# Altium PCB 28Pins_ProjectV1I1_PCB.PcbDoc
Units mm, origin at the board's own origin, x right, y up, seen from the top; angles counter-clockwise.
Board outline 68.58 x 53.34 mm, 2 copper layers (L1, L2), stack 1.671 mm thick; 106 components, 71 nets, 323 pads, 106 vias.
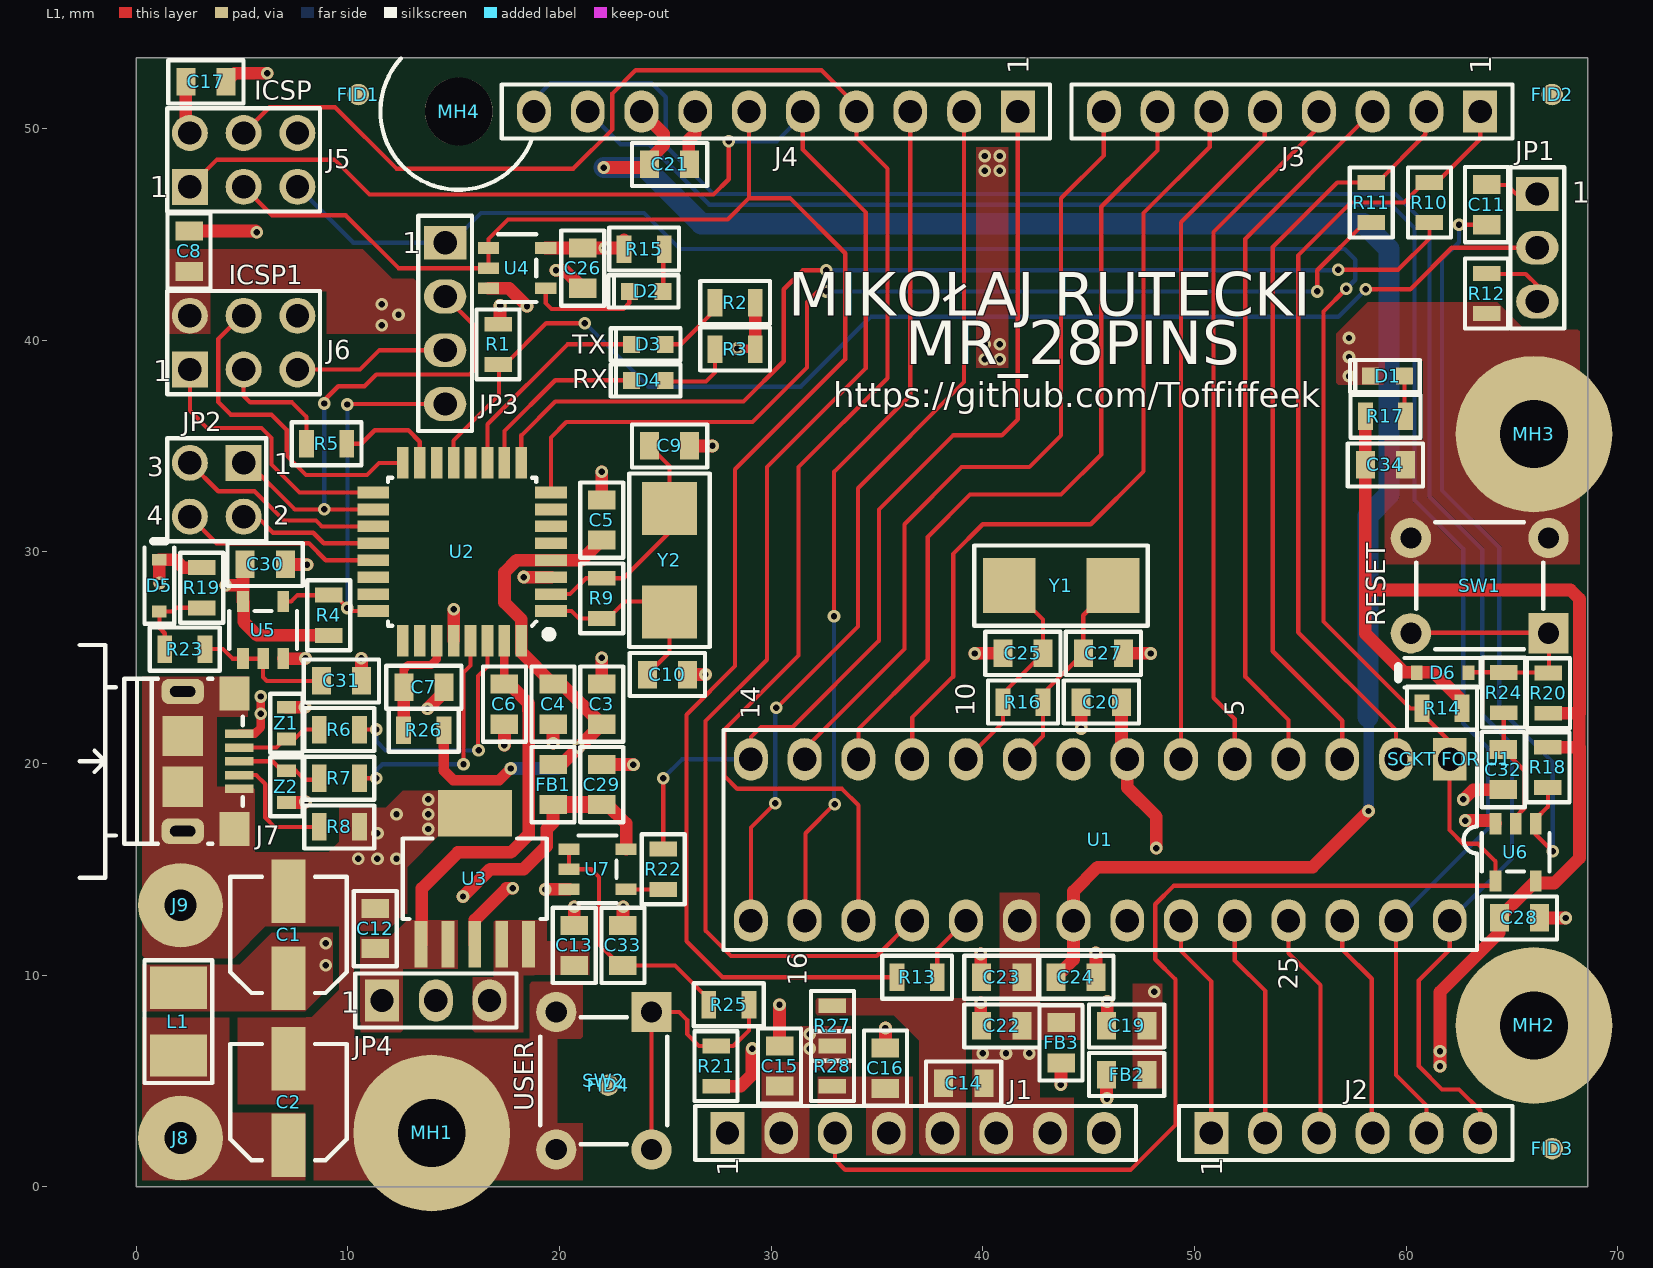
[diagram p0: L1 view]
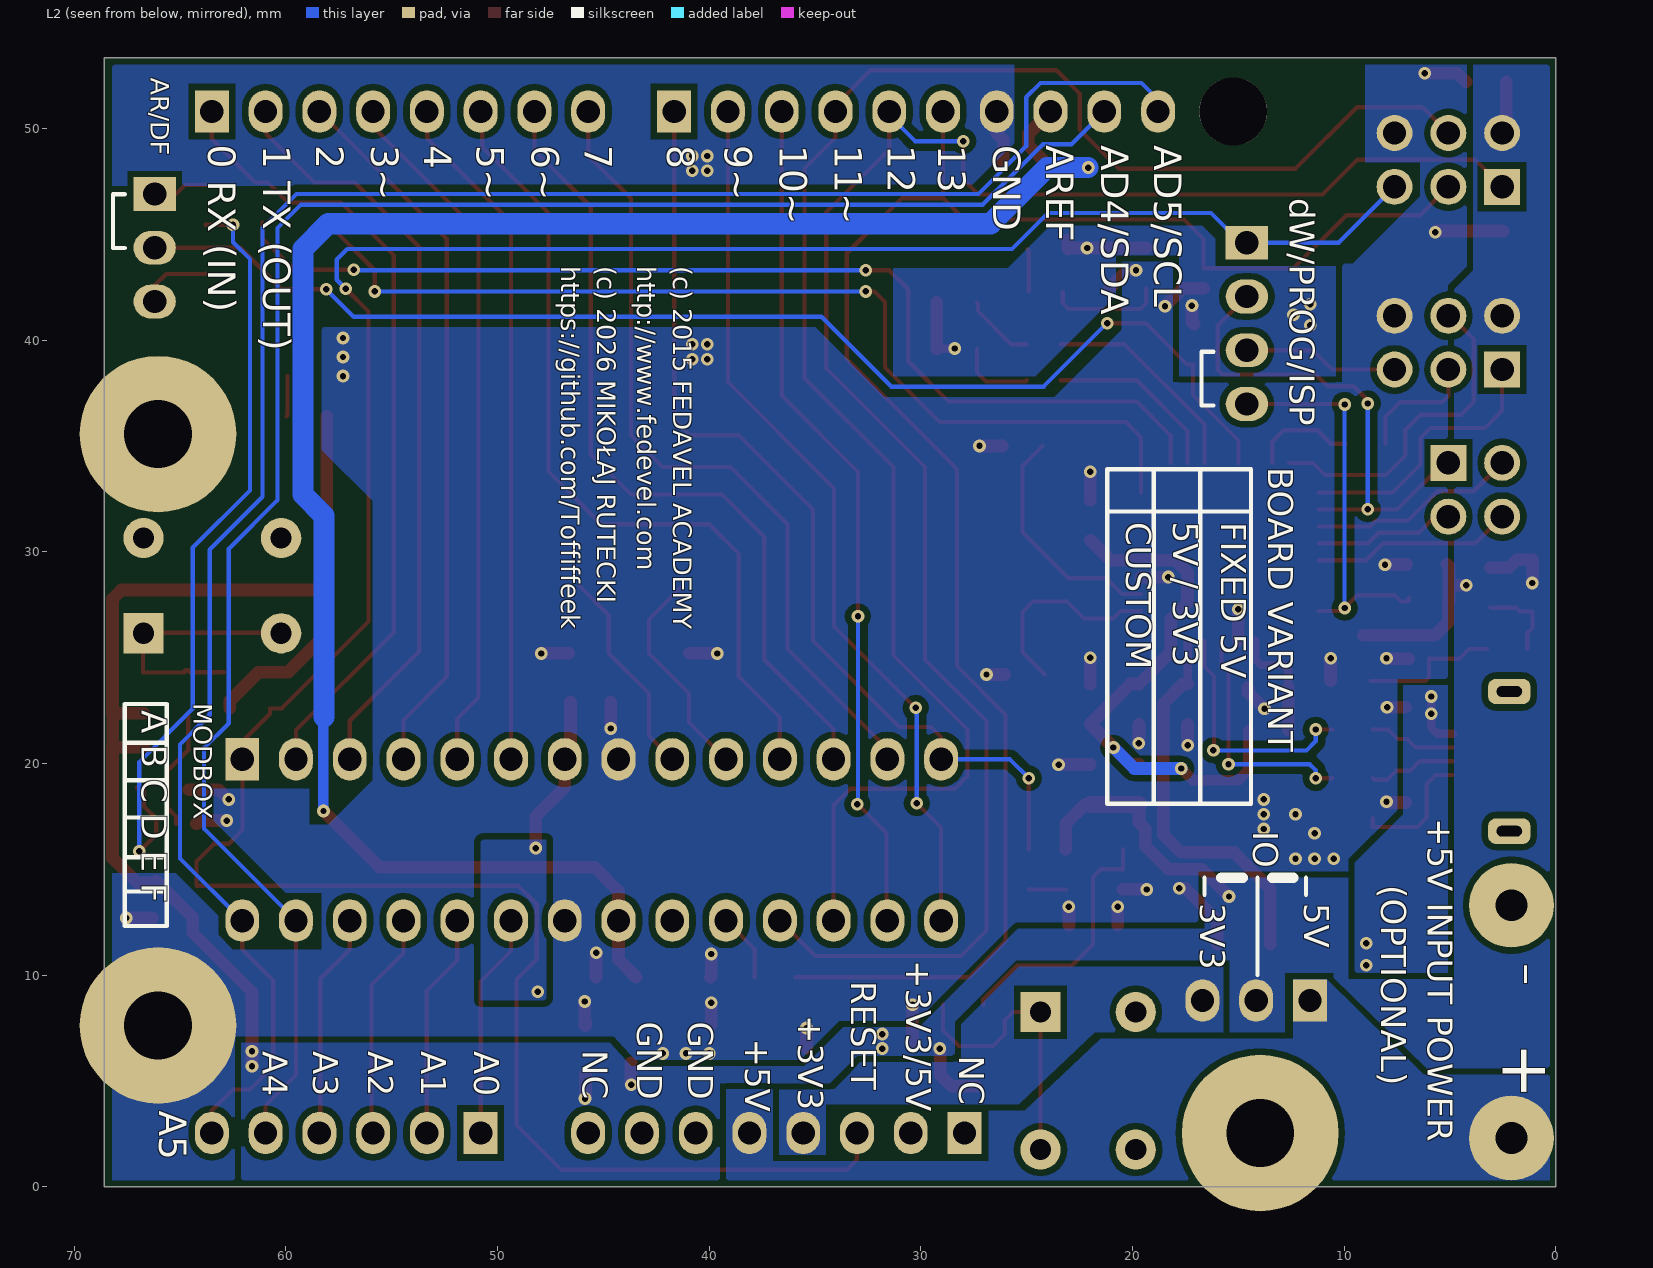
[diagram p1: L2 view, seen from below]

## Layer stack, top to bottom
Top Solder: solder mask 0.0102, Solder Resist, Dk 3.5
L1: signal copper 0.0356
Dielectric 1: dielectric 1.6, FR-4, Dk 4.8
L2: signal copper 0.0356
Bottom Solder: solder mask 0.0102, Solder Resist, Dk 3.5

## Board outline
68.58,0 68.58,53.34 0,53.34 0,0

## Design rules (kind name [scope] priority, off if disabled: settings)
Clearance "Around Polygons" [isRegion] p1: gap=0.3
Clearance [All] p2: gap=0.2
ComponentClearance "SW2 to FID4" [InComponent('SW2') vs InComponent('FID4')] p1: gap=0 collisioncheckmode=3 verticalgap=0 showdistances=FALSE
ComponentClearance "Power Resistors" [InComponent('R27') vs InComponent('R28')] p2: gap=0 collisioncheckmode=3 verticalgap=0 showdistances=FALSE
ComponentClearance "MH4 to FID1 and J4" [InComponent('MH4') vs InComponent('FID1') or InComponent('J4')] p3: gap=0 collisioncheckmode=3 verticalgap=0 showdistances=FALSE
ComponentClearance "DIP SOCKET to MH2 AND U1" [InComponent('SCKT FOR U1') vs InComponent('U1') or InComponent('MH2')] p4: gap=0 collisioncheckmode=3 verticalgap=0 showdistances=FALSE
ComponentClearance "MH2 toJ2" [InComponent('MH2') vs InComponent('J2')] p5: gap=0 collisioncheckmode=3 verticalgap=0 showdistances=FALSE
ComponentClearance [All] p6: gap=0.254 collisioncheckmode=3 verticalgap=0.254 showdistances=FALSE
HoleSize [All] p1: absolutevalues=TRUE maxlimit=10 minlimit=0.2 maxpercent=80.000 minpercent=20.000
HoleToHoleClearance [All] p1: gap=0.3 allowstackedmicrovias=TRUE
MinimumSolderMaskSliver [All] p1: minsoldermaskwidth=0.1
PolygonConnect [All] p1: connectstyle=Direct reliefconductorwidth=0.254 reliefentries=4 polygonreliefangle="90 Angle" airgapwidth=0.254
RoutingVias [All] p1: holewidth=0.3 width=0.6 viastyle="Through Hole" minholewidth=0.3 minwidth=0.6 maxholewidth=0.3 maxwidth=0.6
SilkToBoardRegionClearance [All] p1 off:
SilkToSilkClearance [All] p1: silktosilkclearance=0.1
SilkToSolderMaskClearance [IsPad] p1: minsilkscreentomaskgap=0.1 clearancetoexposedcopper=TRUE
SolderMaskExpansion [All] p1: expansion=0.1
Width "Width POWERS" [InNet('+*') or InNet('GND')] p1: maxlimit=4 minlimit=0.4 preferedwidth=0.4
Width [All] p2: maxlimit=0.5 minlimit=0.2 preferedwidth=0.3
23 further rules are at their usual default settings.

## Components (designator, comment, footprint, x,y, rotation, side; value= is the part's Value field where it differs from the comment)
C1 "100uF/10V" C_ALU_C_SIZE 7.2,11.9 r90 top
C2 "100uF/10V" C_ALU_C_SIZE 7.2,4 r90 top
C3 "10uF/16V" C0805 22,22.8 r270 top
C4 "100n" C0805 19.7,22.8 r90 top
C5 "100n" C0805 22,31.5 r270 top
C6 "100n" C0805 17.4,22.8 r90 top
C7 "1uF/25V" C0805 13.6,23.6 r180 top
C8 "100n" C0805 2.5,44.2 r270 top
C9 "18p" C0805 25.2,35 r0 top
C10 "18p" C0805 25.1,24.2 r0 top
C11 "100n" C0805 63.8,46.4 r90 top
C12 "10uF/16V" C0805 11.3,12.2 r270 top
C13 "10uF/16V" C0805 20.7,11.4 r270 top
C14 "100n" C0805 39.1,4.9 r180 top
C15 "100n" C0805 30.4,5.7 r270 top
C16 "100n" C0805 35.4,5.6 r270 top
C17 "100n" C0805 3.3,52.2 r180 top
C19 "10uF/16V" C0805 46.8,7.6 r180 top
C20 "100n" C0805 45.6,22.9 r0 top
C21 "10uF/16V" C0805 25.2,48.3 r180 top
C22 "10uF/16V" C0805 40.9,7.6 r180 top
C23 "100n" C0805 40.9,9.9 r0 top
C24 "100n" C0805 44.4,9.9 r180 top
C25 "18p" C0805 41.9,25.2 r180 top
C26 "100n" C0805 21.1,43.4 r90 top
C27 "18p" C0805 45.7,25.2 r0 top
C28 "100n" C0805 65.354,12.7 r180 top
C29 "100n" C0805 22,19 r270 top
C30 "100n" C0805 6.1,29.4 r180 top
C31 "100n" C0805 9.7,23.9 r180 top
C32 "100n" C0805 64.592,19.71 r90 top
C33 "100n" C0805 23,11.4 r270 top
C34 "10uF/16V" C0805 59.025,34.1 r180 top
D1 "Green" LED_0603 59.125,38.3 r0 top
D2 "Orange" LED_0603 24.1,42.3 r0 top
D3 "Orange" LED_0603 24.2,39.8 r0 top
D4 "Orange" LED_0603 24.2,38.1 r0 top
D5 "BAT54HT1G" SOD323 1.1,28.4 r270 top
D6 "BAT54HT1G" SOD323 61.722,24.282 r0 top
FB1 "MPZ2012S601AT000" C0805 19.7,19 r90 top
FB2 "MPZ2012S601AT000" C0805 46.8,5.3 r0 top
FB3 "MPZ2012S601AT000" C0805 43.7,6.8 r90 top
FID1 "FID_1MM" FID_40X120D 10.5,51.6 r0 top
FID2 "FID_1MM" FID_40X120D 66.9,51.6 r90 top
FID3 "FID_1MM" FID_40X120D 66.9,1.8 r90 top
FID4 "FID_1MM" FID_40X120D 22.3,4.8 r90 top
J1 "HDR FMALE 1x8 2.54mm" "HDR_Female_1x8_2.54mm - duplicate" 27.94,2.54 r90 top locked
J2 "HDR FMALE 1x6 2.54mm" HDR_Female_1x6_2.54mm 50.8,2.54 r90 top locked
J3 "HDR FMALE 1x8 2.54mm" "HDR_Female_1x8_2.54mm - duplicate" 63.5,50.8 r270 top locked
J4 "HDR FMALE 1x10 2.54mm" HDR_Female_1x10_2.54mm 41.656,50.8 r270 top locked
J5 "HDR 2x3" HDR_2x3_2.54MM 2.54,47.244 r90 top locked
J6 "HDR 2x3" HDR_2x3_2.54MM 2.54,38.608 r90 top locked
J7 "10118193-0001LF" 10118193 3.537,20.1 r270 top locked
J8 "4MMx1.5MM" PAD_WITH_HOLE_4MMx1.5MM 2.1,2.3 r0 top
J9 "4MMx1.5MM" PAD_WITH_HOLE_4MMx1.5MM 2.1,13.3 r0 top
JP1 "HDR 1x3" HDR_1x3_2.54mm 66.2,46.9 r0 top locked
JP2 "HDR 2x2" HDR_2x2_2.54mm 5.08,34.2 r270 top locked
JP3 "HDR 1x4" HDR_1x4_2.54mm 14.6,44.6 r0 top locked
JP4 "HDR 1x3" HDR_1x3_2.54mm 11.62,8.8 r90 top locked
L1 "2u2/2A" C1210_IND 2,7.8 r270 top
MH1 "MH_7.4MMC_3.2MMD" MH_7.4MMD_3.2MMD 13.97,2.54 r0 top locked
MH2 "MH_7.4MMC_3.2MMD" MH_7.4MMD_3.2MMD 66.04,7.62 r0 top locked
MH3 "MH_7.4MMC_3.2MMD" MH_7.4MMD_3.2MMD 66.04,35.56 r0 top locked
MH4 "MH_7.4MMNC_3.2MMD" MH_7.4MMD_3.2MMD_NON_COPPER_NPTH 15.24,50.8 r0 top locked
R1 "100k" R0805 17.1,39.8 r90 top
R2 "560R" R0805 28.3,41.775 r0 top
R3 "560R" R0805 28.3,39.575 r0 top
R4 "10k" R0805 9.1,27 r270 top
R5 "22R" R0805 9,35.1 r180 top
R6 "22R" R0805 9.6,21.6 r0 top
R7 "22R" R0805 9.6,19.3 r0 top
R8 "0R" R0805 9.6,17 r0 top
R9 "1M" R0805 22,27.8 r90 top
R10 "1k" R0805 61.1,46.5 r90 top
R11 "1k" R0805 58.35,46.5 r90 top
R12 "1k" R0805 63.8,42.2 r90 top
R13 "22R" R0805 36.9,9.9 r180 top
R14 "10k" R0805 61.697,22.606 r0 top
R15 "560R" R0805 24,44.3 r180 top
R16 "1M" R0805 41.9,22.9 r180 top
R17 "560R" R0805 59.025,36.4 r180 top
R18 "10k" R0805 66.7,19.812 r90 top
R19 "10k" R0805 3.1,28.3 r90 top
R20 "10k" R0805 66.726,23.317 r270 top
R21 "10k" R0805 27.4,5.7 r270 top
R22 "560R" R0805 24.9,15 r90 top
R23 "22R" R0805 2.3,25.4 r0 top
R24 "22R" R0805 64.618,23.343 r270 top
R25 "22R" R0805 28,8.6 r180 top
R26 "0R" R0805 13.589,21.565 r0 top
R27 "0R" R0805 32.9,7.6 r270 top
R28 "0R" R0805 32.9,5.7 r270 top
"SCKT FOR U1" "28-DIP Socket" 28-DIP_7.62MM_SOCKET 62.065,20.193 r270 top locked
SW1 "1825910-6" 1825910-6 63.475,28.397 r270 top
SW2 "1825910-6" 1825910-6 22.098,5.004 r0 top
U1 "ATMEGA328P-PU" 28_DIP_7.62MM 62.065,20.193 r270 top locked
U2 "ATMEGA16U2-AU" TQFP32 15.4,30 r180 top locked
U3 "TL1963A-33DCQR" DCQ(R-PDSO-G6) 16.002,14.554 r90 top
U4 "SN74AHC1G00DBVR" DBV_DOT_23_5 18,43.4 r0 top
U5 "SN74AHC1G09DBVR" DBV_DOT_23_5 6,26.3 r90 top
U6 "SN74AHC1G09DBVR" DBV_DOT_23_5 65.176,15.799 r270 top
U7 "SN74AHC1G09DBVR" DBV_DOT_23_5 21.8,15 r0 top
Y1 "ABM7-16.000MHZ-D2Y-T" ABM7_v1_1_BIG 43.7,28.4 r180 top
Y2 "ABM7-16.000MHZ-D2Y-T" ABM7_v1_1_BIG 25.2,29.6 r90 top
Z1 "CG0603MLC-05E" R0603 7.1,21.9 r270 top
Z2 "CG0603MLC-05E" R0603 7.1,18.9 r90 top

## Footprints (in the part's own frame and the unit in brackets; to place one, negate y for a bottom-side part, rotate by r counter-clockwise, add the part's x,y. Pads: shape width x height; smd on the part's side, far side on the other; paste and mask are expansions set on the pad)
28-DIP_7.62MM_SOCKET [mm]
  body extent -1.24,-34.26 8.86,1.24, height 4.2
28_DIP_7.62MM [mm]
  rect 2x1.6 hole 1.1: 1(0,0)
  oval 2x1.6 hole 1.1: 2(0,-2.54) 3(0,-5.08) 4(0,-7.62) 5(0,-10.16) 6(0,-12.7) 7(0,-15.24) 8(0,-17.78) 9(0,-20.32) 10(0,-22.86) 11(0,-25.4) 12(0,-27.94) 13(0,-30.48) 14(0,-33.02) 15(7.62,-33.02) 16(7.62,-30.48) 17(7.62,-27.94) 18(7.62,-25.4) 19(7.62,-22.86) 20(7.62,-20.32) 21(7.62,-17.78) 22(7.62,-15.24) 23(7.62,-12.7) 24(7.62,-10.16) 25(7.62,-7.62) 26(7.62,-5.08) 27(7.62,-2.54) 28(7.62,0)
  silkscreen extent -1.39,-34.31 9.01,1.29, body extent -0.13,-34.21 7.74,1.19, height 8.9
1825910-6 [mm]
  rect 1.9x1.9 hole 1: 1(2.25,3.25)
  round 1.9 hole 1: 2(2.25,-3.25) 3(-2.25,3.25) 4(-2.25,-3.25)
  silkscreen extent -3,-3 3,3, body extent -2.99,-3.9 3,3.9, height 5
10118193 [mm]
  rect 0.4x1.35 smd mask+0.05: 1(-1.3,1.338) 2(-0.65,1.338) 3(0,1.338) 4(0.65,1.338) 5(1.3,1.338)
  rect 1.6x1.4 smd: 6(-3.2,1.112) 7(3.2,1.112)
  rrect60% 1.2x2 hole 0.5 slot 1.2 at 90 deg mask+0.05: 8(-3.3,-1.338) 9(3.3,-1.338)
  rect 1.9x1.9 smd: 10(-1.2,-1.338) 11(1.2,-1.338)
  silkscreen extent -5.5,-6.2 5.5,1.5, body extent -3.93,-4.11 3.93,1.55, height 2.83
ABM7_v1_1_BIG [mm]
  rect 2.5x2.6 smd: 1(-2.45,0) 2(2.45,0)
  silkscreen extent -4.1,-1.9 4.1,1.9, body extent -3.1,-1.85 3.1,1.85, height 1.45
C0805 [mm]
  rect 0.9x1.3 smd: 1(-0.95,0) 2(0.95,0)
  silkscreen extent -1.78,-1.02 1.78,1.02, body extent -1,-0.62 1,0.63, height 1.3
C1210_IND [mm]
  rect 2x2.7 smd: 1(-1.6,0) 2(1.6,0)
  silkscreen extent -2.9,-1.6 2.9,1.6, body extent -1.6,-1.25 1.6,1.25, height 2.7
C_ALU_C_SIZE [mm]
  rect 3x1.6 smd: 1(-2.05,0) 2(2.05,0)
  silkscreen extent -2.75,-2.75 2.75,2.75, body extent -2.95,-2.65 2.95,2.65, height 5.41
DBV_DOT_23_5 [mm]
  rect 1x0.55 smd: 1(-1.35,0.95) 2(-1.35,0) 3(-1.35,-0.95) 4(1.35,-0.95) 5(1.35,0.95)
  silkscreen extent -0.9,-1.6 0.9,1.6, body extent -1.51,-1.5 1.51,1.5, height 1.45
DCQ(R-PDSO-G6) [mm]
  rect 2.2x0.6 smd: 1(-3.1,2.54) 2(-3.1,1.27) 3(-3.1,0) 4(-3.1,-1.27) 5(-3.1,-2.54)
  rect 2.2x3.5 smd: 6(3.1,0)
  silkscreen extent -1.9,-3.4 1.9,3.4, body extent -3.63,-3.28 3.63,3.28, height 1.8
FID_40X120D [mil]
  round 40 smd paste-40 mask+40: 1(0,0)
HDR_1x3_2.54mm [mm]
  rect 2x1.6 hole 1.1: 1(0,0)
  oval 2x1.6 hole 1.1: 2(0,-2.54) 3(0,-5.08)
  silkscreen extent -1.27,-6.35 1.27,1.27, body extent -1.21,-6.35 1.2,1.27, height 8.38
HDR_1x4_2.54mm [mm]
  rect 2x1.6 hole 1.1: 1(0,0)
  oval 2x1.6 hole 1.1: 2(0,-2.54) 3(0,-5.08) 4(0,-7.62)
  silkscreen extent -1.27,-8.89 1.27,1.27, body extent -1.21,-8.9 1.21,1.26, height 8.39
HDR_2x2_2.54mm [mm]
  rect 1.7x1.7 hole 1.1: 1(0,0)
  round 1.7 hole 1.1: 2(2.54,0) 3(0,-2.54) 4(2.54,-2.54)
  silkscreen extent -1.17,-3.61 3.71,1.07, body extent -1.17,-3.61 3.71,1.07, height 8.13
HDR_2x3_2.54MM [mm]
  rect 1.7x1.7 hole 1.1: 1(0,0)
  round 1.7 hole 1.1: 2(2.54,0) 3(0,-2.54) 4(2.54,-2.54) 5(0,-5.08) 6(2.54,-5.08)
  silkscreen extent -1.17,-6.15 3.71,1.07, body extent -1.17,-6.15 3.71,1.07, height 10.36
HDR_Female_1x6_2.54mm [mm]
  rect 2x1.6 hole 1.1: 1(0,0)
  oval 2x1.6 hole 1.1: 2(0,-2.54) 3(0,-5.08) 4(0,-7.62) 5(0,-10.16) 6(0,-12.7)
  silkscreen extent -1.27,-14.22 1.27,1.52, body extent -1.23,-14.17 1.27,1.47, height 8.51
"HDR_Female_1x8_2.54mm - duplicate" [mm]
  rect 2x1.6 hole 1.1: 1(0,0)
  oval 2x1.6 hole 1.1: 2(0,-2.54) 3(0,-5.08) 4(0,-7.62) 5(0,-10.16) 6(0,-12.7) 7(0,-15.24) 8(0,-17.78)
  silkscreen extent -1.27,-19.3 1.27,1.52, body extent -1.23,-19.25 1.27,1.47, height 8.51
HDR_Female_1x10_2.54mm [mm]
  rect 2x1.6 hole 1.1: 1(0,0)
  oval 2x1.6 hole 1.1: 2(0,-2.54) 3(0,-5.08) 4(0,-7.62) 5(0,-10.16) 6(0,-12.7) 7(0,-15.24) 8(0,-17.78) 9(0,-20.32) 10(0,-22.86)
  silkscreen extent -1.27,-24.38 1.27,1.52, body extent -1.25,-24.33 1.25,1.47, height 8.51
LED_0603 [mm]
  rect 0.8x0.8 smd: 1(-0.8,0) 2(0.8,0)
  silkscreen extent -1.78,-0.76 1.52,0.76, body extent -0.83,-0.37 0.83,0.36, height 0.7
MH_7.4MMD_3.2MMD [mm]
  round 7.4 hole 3.2: 1(0,0)
MH_7.4MMD_3.2MMD_NON_COPPER_NPTH [mm]
  round 3.2 hole 3.2 unplated: 1(0,0)
  silkscreen extent -3.7,-3.7 3.47,2.5
PAD_WITH_HOLE_4MMx1.5MM [mm]
  round 4 hole 1.5: 1(0,0)
R0603 [mm]
  rect 0.6x0.9 smd: 1(-0.75,0) 2(0.75,0)
  silkscreen extent -1.4,-0.76 1.4,0.76, body extent -0.8,-0.4 0.8,0.4, height 0.54
R0805 [mm]
  rect 0.7x1.3 smd: 1(-0.95,0) 2(0.95,0)
  silkscreen extent -1.65,-1.02 1.65,1.02, body extent -0.98,-0.63 1.02,0.63, height 0.44
SOD323 [mil]
  rect 22x27 smd: 1(-48,0) 2(48,0)
  silkscreen extent -83,-28 71,28, body extent -49,-25 49,25, height 37
TQFP32 [mm]
  rect 1.5x0.55 smd mask+0.06: 1(-4.2,2.8) 2(-4.2,2) 3(-4.2,1.2) 4(-4.2,0.4) 5(-4.2,-0.4) 6(-4.2,-1.2) 7(-4.2,-2) 8(-4.2,-2.8) 17(4.2,-2.8) 18(4.2,-2) 19(4.2,-1.2) 20(4.2,-0.4) 21(4.2,0.4) 22(4.2,1.2) 23(4.2,2) 24(4.2,2.8)
  rect 0.55x1.5 smd mask+0.06: 9(-2.8,-4.2) 10(-2,-4.2) 11(-1.2,-4.2) 12(-0.4,-4.2) 13(0.4,-4.2) 14(1.2,-4.2) 15(2,-4.2) 16(2.8,-4.2) 25(2.8,4.2) 26(2,4.2) 27(1.2,4.2) 28(0.4,4.2) 29(-0.4,4.2) 30(-1.2,4.2) 31(-2,4.2) 32(-2.8,4.2)
  silkscreen extent -4.2,-3.5 3.5,4, body extent -4.6,-4.6 4.6,4.6, height 1.2

## Part data
C1 C2: library part EEE-1AA101WR, "CAP ALUM 100UF 20% 10V SMD"
C3 C12 C13 C19 C21 C22 C34: library part CGA4J1X5R1C106M125AC, "CAP CER 10UF 16V X5R 0805"
C4 C5 C6 C8 C11 C14 C15 C16 C17 C20 C23 C24 C26 C28 C29 C30 C31 C32 C33: library part C2012X7R1H104K085AA, "CAP CER 0.1UF 50V X7R 0805"
C7: library part C2012X5R1E105K125AA, "CAP CER 1UF 25V X5R 0805"
C9 C10 C25 C27: library part C0805C180J5GACTU, "CAP CER 18PF 50V NP0 0805"
D1: library part "LG L29K-G2J1-24-0-2-R18-Z", "LED GREEN DIFFUSED 0603 SMD"
D2 D3 D4: library part "LO L29K-H2K1-24-0-2-R18-Z", "LED ORANGE DIFFUSED 0603 SMD"
D5 D6: library part BAT54HT1GOSCT-ND, "DIODE SCHOTTKY 30V 200MA SOD323"
FB1 FB2 FB3: "FERRITE CHIP BEAD 600 OHM SMD"
FID1 FID2 FID3 FID4: "Fiducial 40mil Diameter, 120mil Mask"
J1 J3: library part M20-7820842, "8-WAY SIL VERT SOCKET L/FREE"
J2: library part M20-7820646, "6-WAY SIL VERT SOCKET L/FREE"
J4: library part M20-7821046, "10-WAY SIL VERT SOCKET L/FREE"
J5 J6: library part 87227-3, "CONN HEADER VERT 6POS 2.54MM"
J7: "CONN RCPT USB2.0 MICRO B SMD R/A"
J8 J9: library part PAD_WITH_HOLE_4MMx1.5MM, "Pad with a hole 4mmx1.5mm"
JP1 JP4: library part 68000-103HLF, "CONN HEADER VERT 3POS 2.54MM"
JP2: library part 5-146256-2, "CONN HEADER VERT 4POS 2.54MM"
JP3: library part 68001-204HLF, "CONN HEADER VERT 4POS 2.54MM"
L1: library part L1210R2R2MDWIT, "FIXED IND 2.2UH 2A 80 MOHM SMD"
MH1 MH2 MH3: "Mounting Hole 7.4mm Diameter, 3.2mm Drill"
MH4: "Hole 7.4mm Diameter (NON COPPER), 3.2mm Drill NPTH"
R1: library part RC0805JR-07100KL, "RES 100K OHM 5% 1/8W 0805"
R2 R3 R15 R17 R22: library part RC0805FR-07560RL, "RES 560 OHM 1% 1/8W 0805"
R4 R14 R18 R19 R20 R21: library part RC0805FR-0710KL, "RES 10K OHM 1% 1/8W 0805"
R5 R6 R7 R13 R23 R24 R25: library part RT0805FRE0722RL, "RES SMD 22 OHM 1% 1/8W 0805"
R8 R26 R27 R28: library part RC0805JR-070RL, "RES 0 OHM JUMPER 1/8W 0805"
R9 R16: library part RC0805FR-071ML, "RES SMD 1M OHM 1% 1/8W 0805"
R10 R11 R12: library part RC0805FR-071KL, "RES 1K OHM 1% 1/8W 0805"
"SCKT FOR U1": library part 4828-3004-CP, "CONN IC DIP SOCKET 28POS TIN"
SW1 SW2: "SWITCH TACTILE SPST-NO 0.05A 24V"
U1: "IC MCU 8BIT 32KB FLASH 28DIP"
U2: "IC MCU 8BIT 16KB FLASH 32TQFP"
U3: "IC REG LIN 3.3V 1.5A SOT-223-6"
U4: "IC GATE NAND 1CH 2-INP SOT23-5"
U5 U6 U7: "IC GATE AND 1CH 2-INP SOT23-5"
Y1 Y2: "CRYSTAL 16.0000MHZ 18PF SMD"
Z1 Z2: "VARISTOR 0603"

## Via types
v1: diameter 0.6, hole 0.3, L1 to L2, tented both sides, 106 vias
